# Altium PCB Middle_Stack_PCB.PcbDoc
Units mm, origin at the board's own origin, x right, y up, seen from the top; angles counter-clockwise.
Board outline 85 x 66 mm, 2 copper layers (Top Layer, Bottom Layer); 52 components, 44 nets, 242 pads, 36 vias.
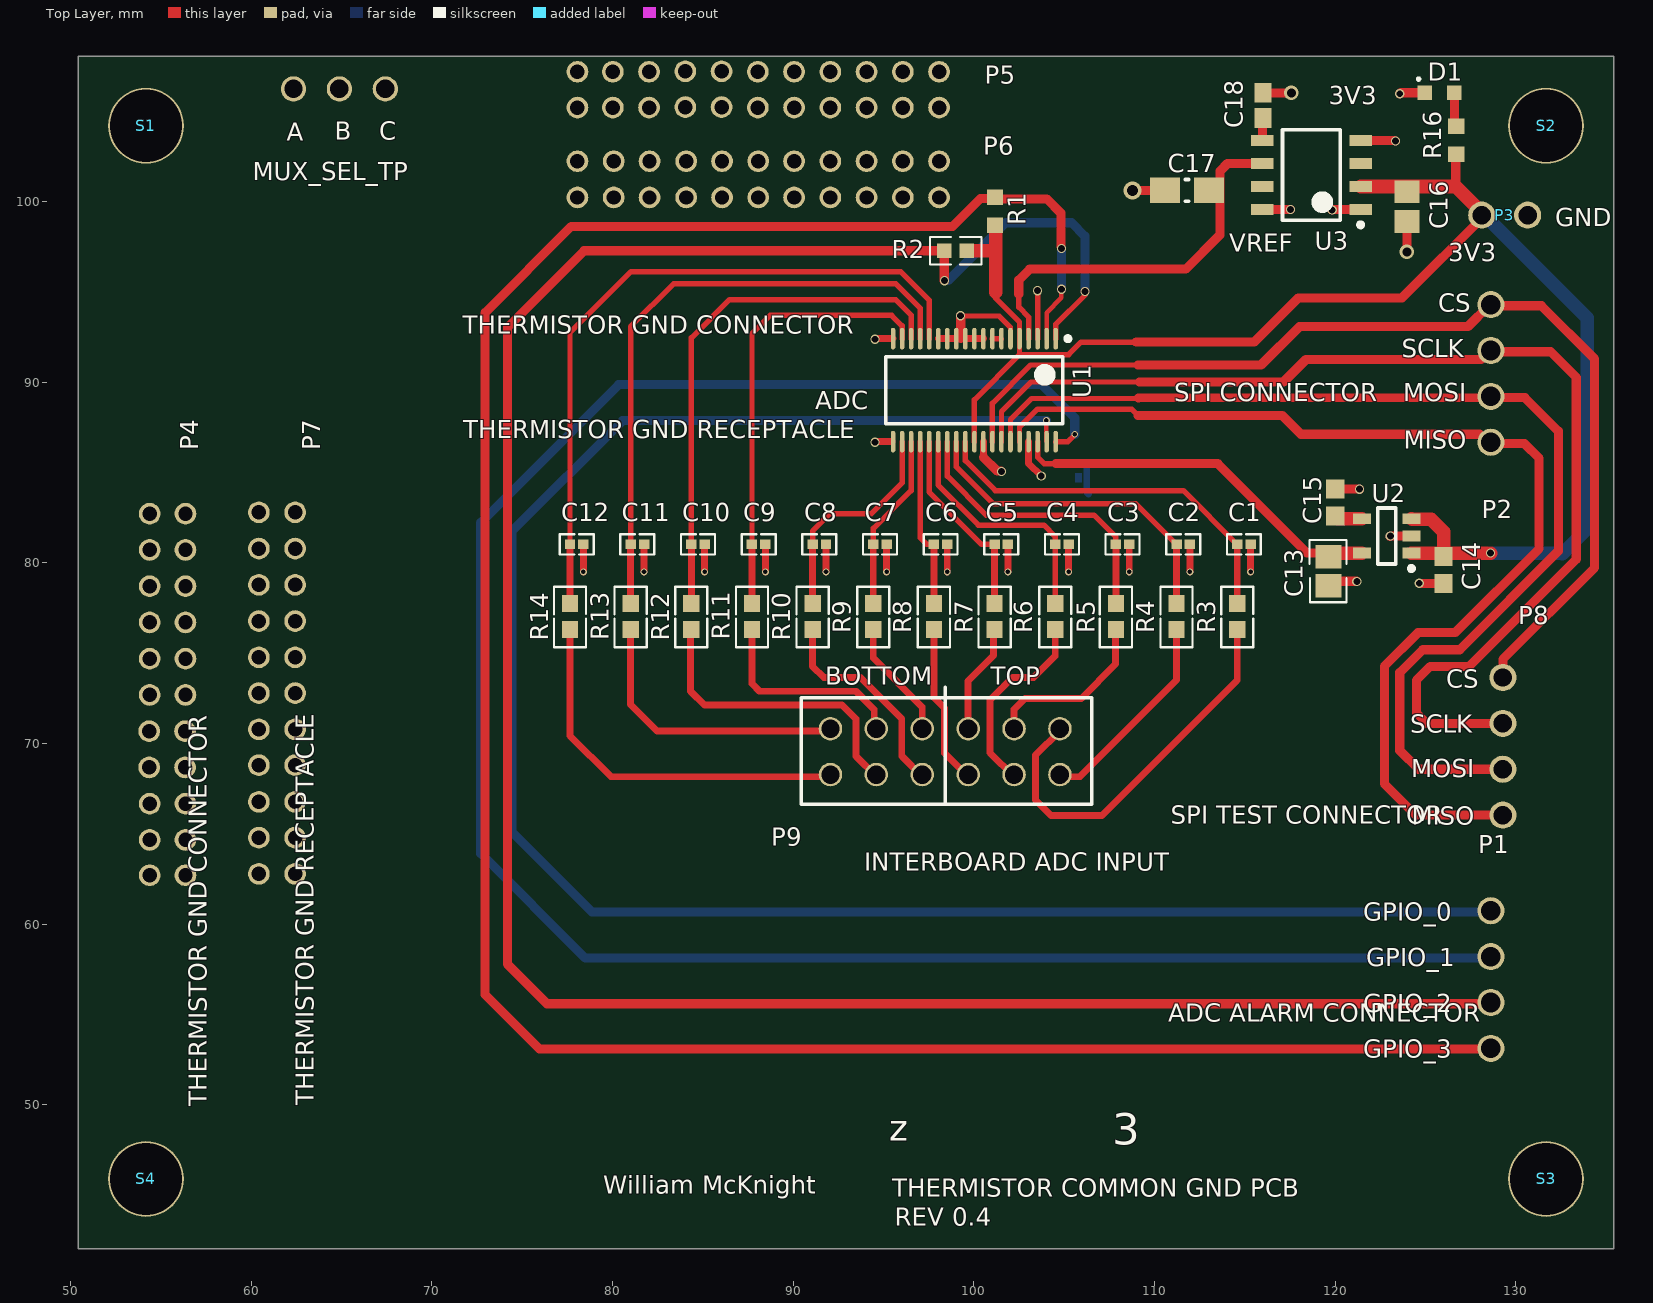
[diagram p0: Top Layer view]
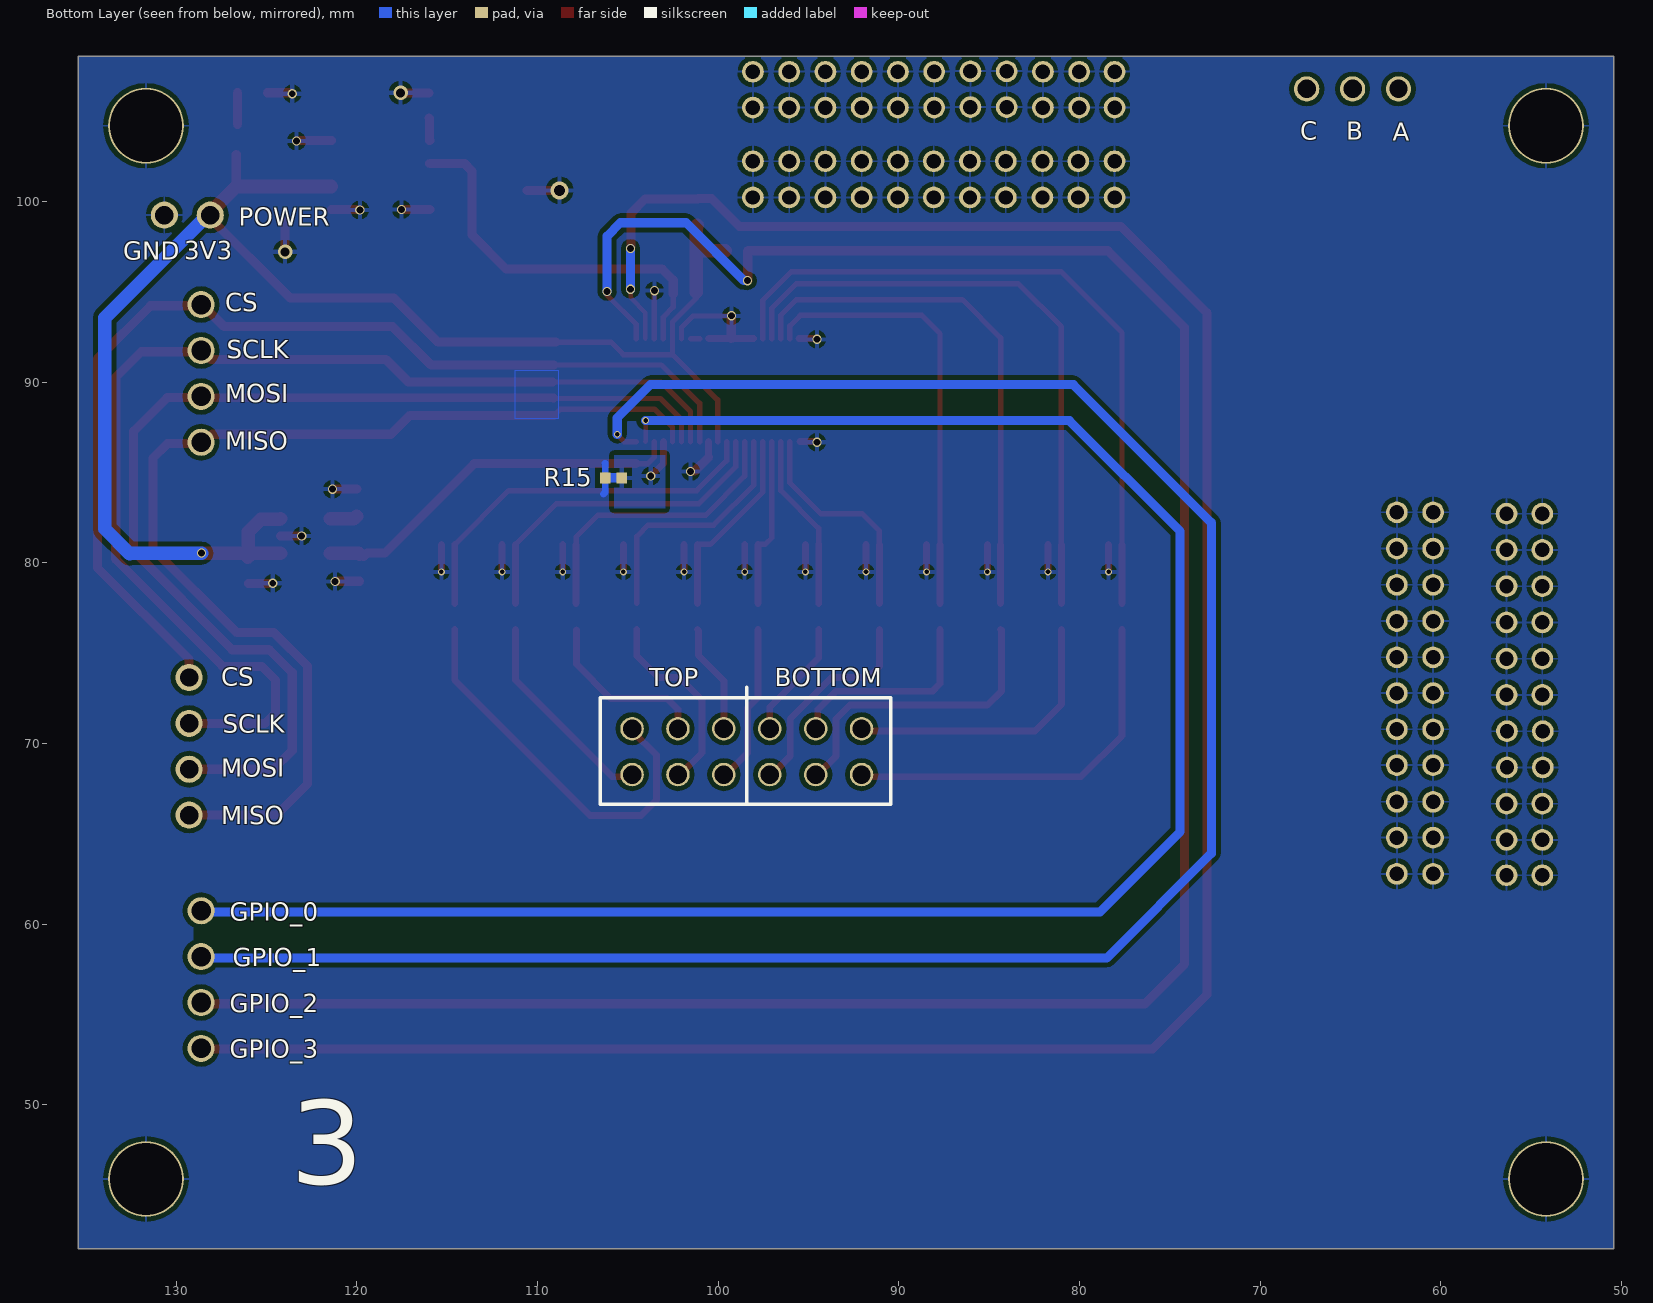
[diagram p1: Bottom Layer view, seen from below]
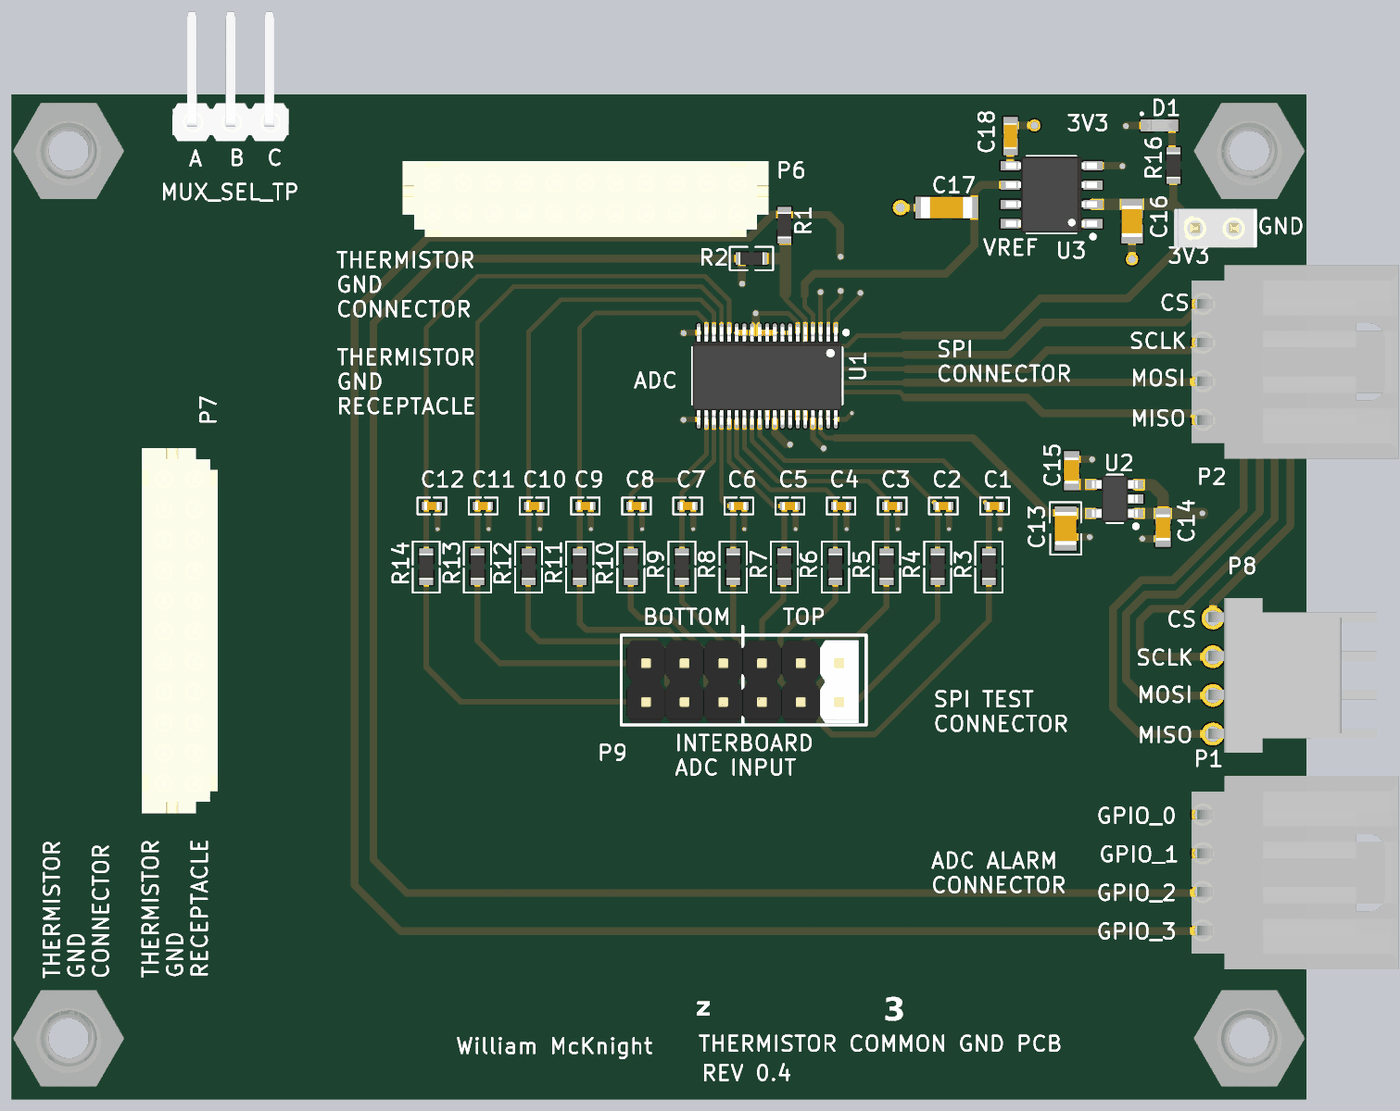
[diagram p2: 3D render of the assembled board from above, using the file's embedded part models]

## Layer stack, top to bottom
Top Solder: solder mask 0.0102, Solder Resist, Dk 3.5
Top Layer: signal copper 0.0356
Dielectric 1: dielectric 0.32, FR-4, Dk 4.8
Bottom Layer: signal copper 0.0356
Bottom Solder: solder mask 0.0102, Solder Resist, Dk 3.5

## Board outline
50.425,42.05 50.425,108.05 135.425,108.05 135.425,42.05

## Design rules (kind name [scope] priority, off if disabled: settings)
Clearance [All] p1: gap=0.254 ignorepadtopadclearanceinfootprint=FALSE except(0: Arc-Hole Track-Hole SMDPad-Fill SMDPad-Hole THPad-Hole Via-Hole Fill-Hole Poly-Hole Region-Hole Text-Hole; 0.051: Track-Fill THPad-Fill; 0.127: Arc-Arc Arc-Track Arc-SMDPad Track-Track Track-SMDPad Track-Via SMDPad-SMDPad THPad-Text)
PolygonConnect [All] p1: thpad.connectstyle=Relief thpad.reliefconductorwidth=0.127 thpad.reliefentries=4 thpad.polygonreliefangle="90 Angle" thpad.airgapwidth=0.254 smdpad.connectstyle=Relief smdpad.reliefconductorwidth=0.254 smdpad.reliefentries=4 smdpad.polygonreliefangle="90 Angle" smdpad.airgapwidth=0.254 via.connectstyle=Relief via.reliefconductorwidth=0.254 via.reliefentries=4 via.polygonreliefangle="90 Angle" via.airgapwidth=0.254
RoutingVias [All] p1: holewidth=0.254 width=0.381 viastyle="Through Hole" minholewidth=0.254 minwidth=0.381 maxholewidth=0.711 maxwidth=1.27
SolderMaskExpansion [All] p1: expansion=0.102
Width [All] p1: maxlimit=2.54 minlimit=0.254 preferedwidth=0.381 minimp=50.000000 maximp=50.000000 favimp=50.000000
30 further rules are at their usual default settings.

## Classes and differential pairs
component class ADC_PowerSupply: C13 C14 C15 C16 C17 C18 D1 P3 R16 U2 U3
component class GND_PCB_Data_Conversion: C1 C2 C3 C4 C5 C6 C7 C8 C9 C10 C11 C12 P1 P2 P8 P9 R1 R2 R3 R4 R5 R6 R7 R8 R9 R10 R11 R12 R13 R14 R15 U1
component class 4X_22_GND_Pin_Connector: P4 P5 P6 P7 S1 S2 S3 S4

## Components (designator, comment, footprint, x,y, rotation, side; value= is the part's Value field where it differs from the comment)
C1 "150PF Charge Res Caps" "150PF Cap Charge Resevoir" 114.949,81.026 r180 top
C2 "150PF Charge Res Caps" "150PF Cap Charge Resevoir" 111.592,81.026 r180 top
C3 "150PF Charge Res Caps" "150PF Cap Charge Resevoir" 108.235,81.026 r180 top
C4 "150PF Charge Res Caps" "150PF Cap Charge Resevoir" 104.877,81.026 r180 top
C5 "150PF Charge Res Caps" "150PF Cap Charge Resevoir" 101.52,81.026 r180 top
C6 "150PF Charge Res Caps" "150PF Cap Charge Resevoir" 98.162,81.026 r180 top
C7 "150PF Charge Res Caps" "150PF Cap Charge Resevoir" 94.805,81.026 r180 top
C8 "150PF Charge Res Caps" "150PF Cap Charge Resevoir" 91.447,81.026 r180 top
C9 "150PF Charge Res Caps" "150PF Cap Charge Resevoir" 88.09,81.026 r180 top
C10 "150PF Charge Res Caps" "150PF Cap Charge Resevoir" 84.733,81.026 r180 top
C11 "150PF Charge Res Caps" "150PF Cap Charge Resevoir" 81.375,81.026 r180 top
C12 "150PF Charge Res Caps" "150PF Cap Charge Resevoir" 78.018,81.026 r180 top
C13 "2.2uF LDO Bypass Cap" "2.2uF LDO Output Bypass Cap" 119.625,79.55 r90 top
C14 "0.1uF" "0.1uF Bypass Capacitor" 126.001,79.613 r90 top
C15 "0.1uF" "0.1uF Bypass Capacitor" 120.007,83.347 r270 top
C16 "ADC_Volt_Ref_Input_Bypass_CAP10uF" 0805_MD_CAP 123.975,99.725 r90 top
C17 "ADC_REF_VOLT_OUTPUT_CAP15UF" 1206_MD_CAP_Width_MOD 111.8,100.625 r0 top
C18 "ADC_REF_VOLT_TRIM_CAP2.2UF" 0603_MD_CAP 116,105.325 r270 top
D1 "LED" Green_SMD_LED 116.162,107.651 r0 top
MUX_SEL_TP "3 POS Mux Select Header" "MUX SELECT 3 POS HEADER PIN" 67.423,106.238 r180 top (schematic designator P5)
P1 "4 pos ADC Alarm Header" "4POS 2.54MM HEADER MUX SEL" 130.525,60.775 r270 top
P2 "2.54MM MUX SEL CON" "4POS 2.54MM HEADER MUX SEL" 130.525,94.325 r270 top
P3 "2 Pos Power Header without 3D body" "2 POS Power Header" 130.658,99.253 r180 top
P4 "22-Pin-Connector" "22-Pin Conenctor" 398.856,413.36 r90 top
P5 "22-Pin-Connector" "22-Pin Conenctor" 428.708,-237.285 r0 top
P6 "22-Pin-Connector-Recepticle" "22 POS CONNECTOR RECEPTICLE" 78.061,100.23 r0 top
P7 "22-Pin-Connector-Recepticle" "22 POS CONNECTOR RECEPTICLE" 62.433,62.789 r90 top
P8 "4POS SPI Test Connector Header Pin" "4POS SPI TEST CONNECTOR" 129.286,66.04 r90 top
P9 "12POS Dual Header W/O 3D Body" "12 POS Dual Header" 92.065,68.287 r0 top
R1 "Green" Green_LED_Resistor_90.9 101.168,99.466 r270 top
R2 "47.5k PullUp RES ADC" 0603_MD_RES 98.992,97.282 r0 top
R3 "75 Ohm Charge Resevoir Resistor" Chip2PinSM127P600-8N 114.579,77.038 r90 top
R4 "75 Ohm Charge Resevoir Resistor" Chip2PinSM127P600-8N 111.222,77.038 r90 top
R5 "75 Ohm Charge Resevoir Resistor" Chip2PinSM127P600-8N 107.865,77.038 r90 top
R6 "75 Ohm Charge Resevoir Resistor" Chip2PinSM127P600-8N 104.507,77.038 r90 top
R7 "75 Ohm Charge Resevoir Resistor" Chip2PinSM127P600-8N 101.15,77.038 r90 top
R8 "75 Ohm Charge Resevoir Resistor" Chip2PinSM127P600-8N 97.792,77.038 r90 top
R9 "75 Ohm Charge Resevoir Resistor" Chip2PinSM127P600-8N 94.435,77.038 r90 top
R10 "75 Ohm Charge Resevoir Resistor" Chip2PinSM127P600-8N 91.077,77.038 r90 top
R11 "75 Ohm Charge Resevoir Resistor" Chip2PinSM127P600-8N 87.72,77.038 r90 top
R12 "75 Ohm Charge Resevoir Resistor" Chip2PinSM127P600-8N 84.363,77.038 r90 top
R13 "75 Ohm Charge Resevoir Resistor" Chip2PinSM127P600-8N 81.005,77.038 r90 top
R14 "75 Ohm Charge Resevoir Resistor" Chip2PinSM127P600-8N 77.648,77.038 r90 top
R15 "0 Ohm Resistor" "0 Ohm Resistor" 106.248,84.709 r180 top
R16 "Green" Green_LED_Resistor_90.9 126.7,103.4 r90 top
S1 "#6-32 Hex Standoff" "#6-32 GND Standoff" 54.226,104.249 r90 top
S2 "#6-32 Hex Standoff" "#6-32 GND Standoff" 131.726,104.249 r90 top
S3 "#6-32 Hex Standoff" "#6-32 GND Standoff" 131.726,45.953 r90 top
S4 "#6-32 Hex Standoff" "#6-32 GND Standoff" 54.226,45.953 r90 top
U1 "12 Channel SAR ADC" "12 Channel SAR ADC" 100.03,89.566 r270 top
U2 "3.3V Digital ADC Supply" "3.3V Dig ADC Supply" 122.852,81.493 r180 top
U3 "8Pin_ADC_REF_V" SOIC127P600X175-8N 118.687,101.473 r180 top

## Footprints (in the part's own frame and the unit in brackets; to place one, negate y for a bottom-side part, rotate by r counter-clockwise, add the part's x,y. Pads: shape width x height; smd on the part's side, far side on the other; paste and mask are expansions set on the pad)
"0 Ohm Resistor" [mm]
  rect 0.6x0.6 smd far side: 1(0,0) 2(0.914,0)
  Bottom Layer region: 0.254,-0.279 0.66,-0.279 0.66,0.254 0.254,0.254
"0.1uF Bypass Capacitor" [mm] "Chip Capacitor, 2-Leads, Body 1.60x0.80mm, IPC Medium Density"
  rect 1.05x1 smd: 1(-0.75,0) 2(0.75,0)
  body extent -0.87,-0.48 0.87,0.48, height 0.9
"2 POS Power Header" [mm] "Connecting Power between boards"
  round 1.5 hole 1.02: 1(0,0) 2(2.54,0)
  body extent -1.54,-1.3 3.92,1.24, height 10.04
"2.2uF LDO Output Bypass Cap" [mm] "2.2µF ±10% 10V Ceramic Capacitor X7R 0805 (2012 Metric)"
  rect 1.3x1.45 smd: 1(-0.8,0) 2(0.8,0)
  silkscreen extent -1.73,-1.02 1.73,1.04, body extent -1.1,-0.72 1.1,0.72, height 1.1
"3.3V Dig ADC Supply" [mm] "Linear Voltage Regulator IC  1 Output  200mA SOT-23-5"
  rect 1x0.6 smd: 1(-1.375,0.95) 2(-1.375,0) 3(-1.375,-0.95) 4(1.375,-0.95) 5(1.375,0.95)
  silkscreen extent -1.5,-1.55 0.5,1.92, body extent -1.5,-1.53 1.5,1.53, height 1.45
"4POS 2.54MM HEADER MUX SEL" [mm]
  round 1.5 hole 1.09: 1(7.645,-1.905) 2(5.105,-1.905) 3(2.565,-1.905) 4(0.025,-1.905)
  body extent -2.51,-2.64 10.19,10.95, height 7.06
"4POS SPI TEST CONNECTOR" [mm]
  round 1.5 hole 1.02: 1(0,0) 2(2.54,0) 3(5.08,0) 4(7.62,0)
  body extent -1.22,-10.74 8.94,0.3, height 6.54
"12 Channel SAR ADC" [mm] "TSSOP, 38-Leads, Body 9.70x4.40mm, Pitch 0.50mm, IPC High Density"
  oval 1.2x0.25 smd: 1(-2.85,4.5) 2(-2.85,4) 3(-2.85,3.5) 4(-2.85,3) 5(-2.85,2.5) 6(-2.85,2) 7(-2.85,1.5) 8(-2.85,1) 9(-2.85,0.5) 10(-2.85,0) 11(-2.85,-0.5) 12(-2.85,-1) 13(-2.85,-1.5) 14(-2.85,-2) 15(-2.85,-2.5) 16(-2.85,-3) 17(-2.85,-3.5) 18(-2.85,-4) 19(-2.85,-4.5) 20(2.85,-4.5) 21(2.85,-4) 22(2.85,-3.5) 23(2.85,-3) 24(2.85,-2.5) 25(2.85,-2) 26(2.85,-1.5) 27(2.85,-1) 28(2.85,-0.5) 29(2.85,0) 30(2.85,0.5) 31(2.85,1) 32(2.85,1.5) 33(2.85,2) 34(2.85,2.5) 35(2.85,3) 36(2.85,3.5) 37(2.85,4) 38(2.85,4.5)
  silkscreen extent -2.97,-4.9 1.85,5.3, body extent -3.2,-4.9 3.2,4.9, height 1.2
"12 POS Dual Header" [mm] "Board to Board ADC Channel Header"
  round 1.3 hole 1.02: 1(0,0) 2(0,2.54) 3(2.54,0) 4(2.54,2.54) 5(5.08,0) 6(5.08,2.54) 7(7.62,0) 8(7.62,2.54) 9(10.16,0) 10(10.16,2.54) 11(12.7,0) 12(12.7,2.54)
  body extent -1.27,-1.54 13.97,3.92, height 20.29
"22 POS CONNECTOR RECEPTICLE" [mm]
  round 1.2 hole 0.8: 1(0,0) 2(0,2.007) 3(2.007,2.007) 4(2.007,0) 5(3.988,0) 6(3.988,2.007) 7(6.02,2.007) 8(6.02,0) 9(8.001,0) 10(8.001,2.007) 11(10.008,2.007) 12(10.008,0) 13(11.989,0) 14(11.989,2.007) 15(13.995,2.007) 16(13.995,0) 17(16.002,0) 18(16.002,2.007) 19(18.009,2.007) 20(18.009,0) 21(20.015,0) 22(20.015,2.007)
  body extent -1.95,-1.53 22.05,3.47, height 5.8
"22-Pin Conenctor" [mm]
  round 1.2 hole 0.8: 1(-330.632,342.494) 2(-330.632,344.475) 3(-332.638,342.494) 4(-332.638,344.475) 5(-334.645,342.494) 6(-334.645,344.475) 7(-336.652,342.494) 8(-336.652,344.475) 9(-338.658,342.494) 10(-338.658,344.475) 11(-340.665,342.494) 12(-340.665,344.475) 13(-342.671,342.519) 14(-342.671,344.5) 15(-344.678,342.519) 16(-344.678,344.5) 17(-346.685,342.494) 18(-346.685,344.475) 19(-348.691,342.494) 20(-348.691,344.475) 21(-350.647,342.494) 22(-350.647,344.475)
  body extent -352.64,342.19 -328.64,352.19, height 5.06
"150PF Cap Charge Resevoir" [mm] "Charge Res Caps for ADC Input Channels"
  rect 0.58x0.52 smd: 1(-0.37,0) 2(0.37,0)
  silkscreen extent -0.94,-0.56 0.94,0.56, body extent -0.53,-0.28 0.53,0.28, height 0.55
0603_MD_CAP [mm]
  rect 1.1x0.95 smd: 1(-0.7,0) 2(0.7,0)
  body extent -0.85,-0.45 0.85,0.45, height 0.9
0603_MD_RES [mm]
  rect 0.8x0.8 smd: 1(-0.625,0) 2(0.625,0)
  silkscreen extent -1.42,-0.76 1.42,0.76, body extent -0.82,-0.4 0.82,0.4, height 0.55
0805_MD_CAP [mm]
  rect 1.25x1.4 smd: 1(-0.825,0) 2(0.825,0)
  body extent -1.05,-0.67 1.05,0.67, height 1.35
1206_MD_CAP_Width_MOD [mm]
  rect 1.65x1.4 smd: 1(-1.225,0) 2(1.225,0)
  silkscreen extent -0.1,-0.6 0.1,0.6, body extent -1.7,-0.7 1.7,0.7, height 1.8
"#6-32 GND Standoff" [mm] "Hex standoff for Thermistor GND PCB"
  round 4.2 hole 4: 1(-0.051,0.051)
  body extent -3.07,-3.61 3.28,3.71, height 9.53
Chip2PinSM127P600-8N [mm] "75 Ohm Charge Resevoir Resistor"
  rect 0.95x0.9 smd: 1(-0.725,0) 2(0.725,0)
  silkscreen extent -1.7,-0.89 1.65,0.89, body extent -0.85,-0.45 0.85,0.45, height 0.55
Green_LED_Resistor_90.9 [mm]
  rect 0.85x0.9 smd: 1(-0.775,0) 2(0.775,0)
  body extent -0.85,-0.45 0.85,0.45, height 0.55
Green_SMD_LED [mm]
  rect 0.8x0.8 smd: 1(8.788,-1.626) 2(10.439,-1.626)
  silkscreen extent 8.43,-0.89 8.48,-0.84, body extent 8.79,-2.02 10.41,-1.23, height 0.71
"MUX SELECT 3 POS HEADER PIN" [mm]
  round 1.4 hole 1.02: 1(0,0) 2(2.54,0) 3(5.08,0)
  body extent -1.19,-7.26 6.43,1.24, height 5.77
SOIC127P600X175-8N [mm] "SOIC, 8-Leads, Body 4.90x3.90mm, Pitch 1.27mm, IPC Medium Density"
  rect 1.25x0.6 smd: 1(-2.725,1.905) 2(-2.725,0.635) 3(-2.725,-0.635) 4(-2.725,-1.905) 5(2.725,-1.905) 6(2.725,-0.635) 7(2.725,0.635) 8(2.725,1.905)
  silkscreen extent -2.85,-2.5 1.6,2.88, body extent -3,-2.5 3,2.5, height 1.75

## Part data
C1 C12: "Charge Res Caps for ADC input channels", Capacitance=150pF, Case/Package=0402, Case Code (Metric)=1005, Manufacturer=KEMET, Manufacturer Part Number=C0402C151J3GAC7867, Max Operating Temperature=125°C, Min Operating Temperature=-55°C, Supplier Part Number 1=399-14422-1-ND, Tolerance=5%, Voltage Rating=25V, Case Code (Imperial)=0402, ComponentLink1Description=http://components.arrow.com/part/dataview/46126249S9911696N7429?src-supplier=Arrow, ComponentLink1URL=http://components.arrow.com/part/dataview/46126249S9911696N7429?src-supplier=Arrow, ComponentLink2Description=http://www.kemet.com/docfinder?Partnumber=C0402C151J3GACTU&src-supplier=Digi-Key, ComponentLink2URL=http://www.kemet.com/docfinder?Partnumber=C0402C151J3GACTU&src-supplier=Digi-Key, ComponentLink3Description=https://api.kemet.com/component-edge/download/datasheet/C0402C151J3GACTU.pdf?src-supplier=Digi-Key, ComponentLink3URL=https://api.kemet.com/component-edge/download/datasheet/C0402C151J3GACTU.pdf?src-supplier=Digi-Key, ComponentLink4Description=http://datasheet.octopart.com/C0402C151J3GAC7867-KEMET-datasheet-84169754.pdf, ComponentLink4URL=http://datasheet.octopart.com/C0402C151J3GAC7867-KEMET-datasheet-84169754.pdf, Mount="Surface Mount", Packaging="Cut Tape", Pricing 1="1=0.10000, 10=0.04300, 100=0.01920, 500=0.01374, 1000=0.01080, 2500=0.00982, 5000=0.00903 (USD)", Stock 1=18237, Supplier 1=Digi-Key
C2 C3 C4 C5 C6 C7 C8 C9 C10 C11: "Charge Res Caps for ADC input channels", Case/Package=0402, Case Code (Metric)=1005, Manufacturer=KEMET, Manufacturer Part Number=C0402C151J3GAC7867, Max Operating Temperature=125°C, Min Operating Temperature=-55°C, Supplier Part Number 1=399-14422-1-ND, Tolerance=5%, Case Code (Imperial)=0402, ComponentLink1Description=http://components.arrow.com/part/dataview/46126249S9911696N7429?src-supplier=Arrow, ComponentLink1URL=http://components.arrow.com/part/dataview/46126249S9911696N7429?src-supplier=Arrow, ComponentLink2Description=http://www.kemet.com/docfinder?Partnumber=C0402C151J3GACTU&src-supplier=Digi-Key, ComponentLink2URL=http://www.kemet.com/docfinder?Partnumber=C0402C151J3GACTU&src-supplier=Digi-Key, ComponentLink3Description=https://api.kemet.com/component-edge/download/datasheet/C0402C151J3GACTU.pdf?src-supplier=Digi-Key, ComponentLink3URL=https://api.kemet.com/component-edge/download/datasheet/C0402C151J3GACTU.pdf?src-supplier=Digi-Key, ComponentLink4Description=http://datasheet.octopart.com/C0402C151J3GAC7867-KEMET-datasheet-84169754.pdf, ComponentLink4URL=http://datasheet.octopart.com/C0402C151J3GAC7867-KEMET-datasheet-84169754.pdf, Mount="Surface Mount", Packaging="Cut Tape", Pricing 1="1=0.10000, 10=0.04300, 100=0.01920, 500=0.01374, 1000=0.01080, 2500=0.00982, 5000=0.00903 (USD)", Stock 1=18237, Supplier 1=Digi-Key
C13: "2.2µF ±10% 10V Ceramic Capacitor X7R 0805 (2012 Metric)", Capacitance=2.2uF, Case/Package=0805, Case Code (Metric)=2012, Dielectric=X7R, Dielectric Material=Ceramic, Manufacturer=KEMET, Manufacturer Part Number=C0805C225K8RACAUTO, Max Operating Temperature=125°C, Min Operating Temperature=-55°C, Package Quantity=1, Ratings=AEC-Q200, Supplier Part Number 1=399-6951-1-ND, Tolerance=10%, Voltage Rating=10V, Case Code (Imperial)=0805, ComponentLink1Description=http://www.farnell.com/datasheets/2741162.pdf?src-supplier=Farnell, ComponentLink1URL=http://www.farnell.com/datasheets/2741162.pdf?src-supplier=Farnell, ComponentLink2Description=http://components.arrow.com/part/dataview/0323_00327875?src-supplier=Arrow+Europe, ComponentLink2URL=http://components.arrow.com/part/dataview/0323_00327875?src-supplier=Arrow+Europe, ComponentLink3Description=http://components.arrow.com/part/dataview/43510464S9781270N7429?src-supplier=Arrow, ComponentLink3URL=http://components.arrow.com/part/dataview/43510464S9781270N7429?src-supplier=Arrow, ComponentLink4Description=http://www.farnell.com/datasheets/2741162.pdf?src-supplier=Newark, ComponentLink4URL=http://www.farnell.com/datasheets/2741162.pdf?src-supplier=Newark, ComponentLink5Description=http://www.farnell.com/datasheets/2120827.pdf?src-supplier=Element14, ComponentLink5URL=http://www.farnell.com/datasheets/2120827.pdf?src-supplier=Element14, ComponentLink6Description=http://capacitoredge.kemet.com/capedge2/DataSheet?pn=C0805C225K8RACAUTO&src-supplier=Avnet+Europe, ComponentLink6URL=http://capacitoredge.kemet.com/capedge2/DataSheet?pn=C0805C225K8RACAUTO&src-supplier=Avnet+Europe, ComponentLink7Description=https://search.kemet.com/component-edge/download/specsheet/C0805C225K8RACAUTO.pdf?src-supplier=Digi-Key, ComponentLink7URL=https://search.kemet.com/component-edge/download/specsheet/C0805C225K8RACAUTO.pdf?src-supplier=Digi-Key, ComponentLink8Description=https://api.kemet.com/component-edge/download/datasheet/C0805C225K8RACAUTO.pdf?src-supplier=Digi-Key, ComponentLink8URL=https://api.kemet.com/component-edge/download/datasheet/C0805C225K8RACAUTO.pdf?src-supplier=Digi-Key, Depth=1.25mm, Height=1.25mm, Length=2mm, Mount="Surface Mount", Packaging="Cut Tape", Pricing 1="1=0.25000, 10=0.17200, 100=0.09770, 500=0.06898, 1000=0.06035 (USD)", Radiation Hardening=No, REACH SVHC="No SVHC", RoHS=Yes, Stock 1=53616, Supplier 1=Digi-Key, Thickness=0.055inch, Voltage Rating (DC)=10V, Width=0.049inch
C14 C15: library part "0.1uF Cap", "0.1uF Bypass Cap", Capacitance=100nF, Case/Package=0603, Case Code (Metric)=1608, Dielectric=X7R, Dielectric Material=Ceramic, Manufacturer=KEMET, Manufacturer Part Number=C0603C104K9RACTU, Max Operating Temperature=125°C, Min Operating Temperature=-55°C, Package Quantity=4000, Supplier Part Number 1=399-15351-1-ND, Tolerance=10%, Voltage Rating=6.3V, Case Code (Imperial)=0603, ComponentLink1Description=https://datasheet.ciiva.com/13371/kem-c1002-x7r-smd-357932-13371879.pdf?src-supplier=Mouser, ComponentLink1URL=https://datasheet.ciiva.com/13371/kem-c1002-x7r-smd-357932-13371879.pdf?src-supplier=Mouser, Dissipation Factor=5%, Height=0.8mm, Length=1.6mm, Mount="Surface Mount", Packaging="Tape and Reel", Pricing 1="1=0.19000, 10=0.13800, 100=0.06480, 500=0.04546, 1000=0.03763 (USD)", RoHS=Yes, Stock 1=758, Supplier 1=Digi-Key, Termination=SMD/SMT, Thickness=0.034inch, Voltage Rating (DC)=6.3V, Width=0.8mm
C16: "10µF ±10% 6.3V Ceramic Capacitor X7R 0805 (2012 Metric)", Capacitance=10uF, Case/Package=0805, Case Code (Metric)=2012, Dielectric=X7R, Manufacturer="Taiyo Yuden", Manufacturer Part Number=JMK212AB7106KGHT, Max Operating Temperature=125°C, Min Operating Temperature=-55°C, Package Quantity=3000, Ratings=AEC-Q200, Supplier Part Number 1=587-3388-1-ND, Tolerance=10%, Voltage Rating=6.3V, Case Code (Imperial)=0805, ComponentLink1Description=https://datasheet.ciiva.com/18697/mlcc01-hq-e-18697416.pdf?src-supplier=Digi-Key, ComponentLink1URL=https://datasheet.ciiva.com/18697/mlcc01-hq-e-18697416.pdf?src-supplier=Digi-Key, ComponentLink2Description=https://datasheet.ciiva.com/18697/mlcc01-hq-e-18697417.pdf?src-supplier=Digi-Key, ComponentLink2URL=https://datasheet.ciiva.com/18697/mlcc01-hq-e-18697417.pdf?src-supplier=Digi-Key, ComponentLink3Description=https://datasheet.ciiva.com/18697/mlcc01-hq-e-18697418.pdf?src-supplier=Digi-Key, ComponentLink3URL=https://datasheet.ciiva.com/18697/mlcc01-hq-e-18697418.pdf?src-supplier=Digi-Key, Halogen Free="Halogen Free", Height=1.25mm, Lead Free="Lead Free", Length=0.079inch, Mount="Surface Mount", Packaging="Tape and Reel", Pricing 1="1 = 0.29000, 10 = 0.19900, 100 = 0.11250, 500 = 0.07940, 1000 = 0.06948 (USD)", RoHS=Yes, Stock 1=179784, Supplier 1=Digi-Key, Termination=SMD/SMT, Thickness=0.053inch, Voltage Rating (DC)=6.3V, Width=0.049inch
C17: "15µF Molded Tantalum Capacitors 10V 1206 (3216 Metric) 1Ohm", Capacitance=15uF, Case/Package=1206, Case Code (Metric)=3216, Dielectric Material=Tantalum, ESR (Equivalent Series Resistance)=1R, Leakage Current=1.5uA, Manufacturer="Kyocera AVX", Manufacturer Part Number=TPSA156K010R1000, Max Operating Temperature=125°C, Min Operating Temperature=-55°C, Package Quantity=1, Ripple Current=110uA, Supplier Part Number 1=478-1752-1-ND, Tolerance=10%, Voltage=10V, Case Code (Imperial)=1206, ComponentLink1Description=https://datasheet.ciiva.com/11793/0900766b80962b61-11793618.pdf?src-supplier=RSComponents, ComponentLink1URL=https://datasheet.ciiva.com/11793/0900766b80962b61-11793618.pdf?src-supplier=RSComponents, ComponentLink2Description=https://datasheet.ciiva.com/19467/2019434-19467308.pdf?src-supplier=Jameco, ComponentLink2URL=https://datasheet.ciiva.com/19467/2019434-19467308.pdf?src-supplier=Jameco, ComponentLink3Description=https://datasheet.ciiva.com/263/tps-263720.pdf?src-supplier=Digi-Key, ComponentLink3URL=https://datasheet.ciiva.com/263/tps-263720.pdf?src-supplier=Digi-Key, ComponentLink4Description=https://datasheet.ciiva.com/263/tps-263721.pdf?src-supplier=Digi-Key, ComponentLink4URL=https://datasheet.ciiva.com/263/tps-263721.pdf?src-supplier=Digi-Key, ComponentLink5Description=https://datasheet.ciiva.com/7914/1680477-7914730.pdf?src-supplier=Element14, ComponentLink5URL=https://datasheet.ciiva.com/7914/1680477-7914730.pdf?src-supplier=Element14, ComponentLink6Description=https://datasheet.ciiva.com/263/tps-263722.pdf?src-supplier=Digi-Key, ComponentLink6URL=https://datasheet.ciiva.com/263/tps-263722.pdf?src-supplier=Digi-Key, ComponentLink7Description=https://datasheet.ciiva.com/3004/tps-3004586.pdf?src-supplier=Avnet, ComponentLink7URL=https://datasheet.ciiva.com/3004/tps-3004586.pdf?src-supplier=Avnet, ComponentLink8Description=https://datasheet.ciiva.com/12911/tps-23028-12911578.pdf?src-supplier=Mouser, ComponentLink8URL=https://datasheet.ciiva.com/12911/tps-23028-12911578.pdf?src-supplier=Mouser, ComponentLink9Description=https://datasheet.ciiva.com/14596/70001047-14596906.pdf?src-supplier=Allied+Electronics, ComponentLink9URL=https://datasheet.ciiva.com/14596/70001047-14596906.pdf?src-supplier=Allied+Electronics, ComponentLink10Description=https://datasheet.ciiva.com/7914/1680477-7914731.pdf?src-supplier=Element14, ComponentLink10URL=https://datasheet.ciiva.com/7914/1680477-7914731.pdf?src-supplier=Element14, ComponentLink11Description=https://datasheet.ciiva.com/7914/1680477-7914732.pdf?src-supplier=Element14, ComponentLink11URL=https://datasheet.ciiva.com/7914/1680477-7914732.pdf?src-supplier=Element14, Depth=1.6mm, Dissipation Factor=6%, Features="General Purpose", Height=1.6mm, Height - Seated (Max)=0.071inch, Lead Free="Lead Free", Length=3.2mm, Mount="Surface Mount,PCB", Number of Pins=2, Packaging="Tape and Reel", Polarity=Polar, Pricing 1="1 = 0.48000, 10 = 0.33300, 100 = 0.19980, 500 = 0.14986, 1000 = 0.12654 (USD)", Radiation Hardening=No, REACH SVHC="No SVHC", RoHS=Yes, Stock 1=4016, Supplier 1=Digi-Key, Termination=SMD/SMT, Voltage Rating=10V, Voltage Rating (DC)=10V, Weight=0.000571oz, Width=1.6mm
C18: "2.2µF ±10% 6.3V Ceramic Capacitor X7R 0603 (1608 Metric)", Capacitance=2.2uF, Case/Package=0603, Case Code (Metric)=1608, Manufacturer="Taiyo Yuden", Manufacturer Part Number=JMK107B7225KAHTR, Max Operating Temperature=125°C, Min Operating Temperature=-55°C, Ratings=AEC-Q200, Supplier Part Number 1=587-4899-1-ND, Tolerance=10%, Voltage Rating=6.3V, Case Code (Imperial)=0603, ComponentLink1Description=http://ds.yuden.co.jp/TYCOMPAS/ut/detail.do?productNo=JMK107B7225KAHTR&fileName=JMK107B7225KAHTR_SS&mode=specSheetDownload&src-supplier=Digi-Key, ComponentLink1URL=http://ds.yuden.co.jp/TYCOMPAS/ut/detail.do?productNo=JMK107B7225KAHTR&fileName=JMK107B7225KAHTR_SS&mode=specSheetDownload&src-supplier=Digi-Key, ComponentLink2Description=https://www.yuden.co.jp/productdata/catalog//mlcc11_hq_e.pdf?src-supplier=Digi-Key, ComponentLink2URL=https://www.yuden.co.jp/productdata/catalog//mlcc11_hq_e.pdf?src-supplier=Digi-Key, Mount="Surface Mount", Packaging="Cut Tape", Pricing 1="1 = 0.24000, 10 = 0.16600, 100 = 0.09400, 500 = 0.06638, 1000 = 0.05808 (USD)", RoHS=No, Stock 1=55560, Supplier 1=Digi-Key
D1: library part GREEN_LED, Case/Package=0603, Case Code (Metric)=1608, Color=Green, Forward Current=20mA, Forward Voltage=2V, Lens Color=Colorless,Clear, Manufacturer=Dialight, Manufacturer Part Number=5988070107F, Max Operating Temperature=100°C, Min Operating Temperature=-30°C, Package Quantity=4000, Power Dissipation=60mW, Reverse Voltage=5V, Supplier Part Number 1=350-2035-1-ND, Case Code (Imperial)=0603, ComponentLink1Description=http://www.mouser.com/ds/2/109/SMT_selector_guide-267443.pdf?src-supplier=Mouser, ComponentLink1URL=http://www.mouser.com/ds/2/109/SMT_selector_guide-267443.pdf?src-supplier=Mouser, ComponentLink2Description=http://uk.rs-online.com/webdocs/0ae2/0900766b80ae2975.pdf?src-supplier=RSComponents, ComponentLink2URL=http://uk.rs-online.com/webdocs/0ae2/0900766b80ae2975.pdf?src-supplier=RSComponents, ComponentLink3Description=http://www.farnell.com/datasheets/1720200.pdf?src-supplier=Element14, ComponentLink3URL=http://www.farnell.com/datasheets/1720200.pdf?src-supplier=Element14, ComponentLink4Description=https://media.digikey.com/pdf/Data%20Sheets/Dialight%20PDFs/598_Series_0603_Pkg.pdf?src-supplier=Digi-Key, ComponentLink4URL=https://media.digikey.com/pdf/Data%20Sheets/Dialight%20PDFs/598_Series_0603_Pkg.pdf?src-supplier=Digi-Key, ComponentLink5Description=http://www.farnell.com/datasheets/1484480.pdf?src-supplier=Element14, ComponentLink5URL=http://www.farnell.com/datasheets/1484480.pdf?src-supplier=Element14, ComponentLink6Description=https://www.alliedelec.com/m/d/745256ca487aea7b70ea31e2d673d5bb.pdf?src-supplier=Allied+Electronics, ComponentLink6URL=https://www.alliedelec.com/m/d/745256ca487aea7b70ea31e2d673d5bb.pdf?src-supplier=Allied+Electronics, ComponentLink7Description=http://www.onlinecomponents.com/productFiles/mf-DIA/mdei5980603.pdf?src-supplier=Onlinecomponents.com, ComponentLink7URL=http://www.onlinecomponents.com/productFiles/mf-DIA/mdei5980603.pdf?src-supplier=Onlinecomponents.com, ComponentLink8Description=https://www.verical.com/server-webapp/html/getDatasheet?partID=146438&src-supplier=Verical, ComponentLink8URL=https://www.verical.com/server-webapp/html/getDatasheet?partID=146438&src-supplier=Verical, ComponentLink9Description=http://www.dialight.com/Assets/Brochures_And_Catalogs/Indication/SMT_selector_guide.pdf?src-supplier=Future+Electronics, ComponentLink9URL=http://www.dialight.com/Assets/Brochures_And_Catalogs/Indication/SMT_selector_guide.pdf?src-supplier=Future+Electronics, Depth=0.8mm, Dominant Wavelength=568nm, Height=0.7mm, Illumination Color=Green, Lead Free="Lead Free", Length=1.6mm, Lens Size=0.8mm, Lens Style=Flat,Rectangular,Diffused,Colorless,Clear, Lens Transparency=Clear, Luminous Intensity=20mcd, Mount="Surface Mount", Number of Elements=1, Number of LEDs=1, Number of Pins=2, Packaging="Tape and Reel", Pricing 1="1=0.46, 10=0.33, 25=0.2528, 100=0.1648, 250=0.1209, 500=0.1026, 1000=0.0843 (USD)", Radiation Hardening=No, REACH SVHC="No SVHC", Stock 1=228546, Supplier 1=Digi-Key, Test Current=20mA, Viewing Angle=140°, Wavelength=570nm, Width=0.8mm